# Altium PCB Stepper_Board.PcbDoc (part 2 of 2)
Units mil, origin at the board's own origin, x right, y up, seen from the top; angles counter-clockwise.
Board outline 8267.72 x 4724.41 mil, 2 copper layers (Top Layer, Bottom Layer), stack 62.255 mil thick; 204 components, 138 nets, 645 pads, 842 vias.
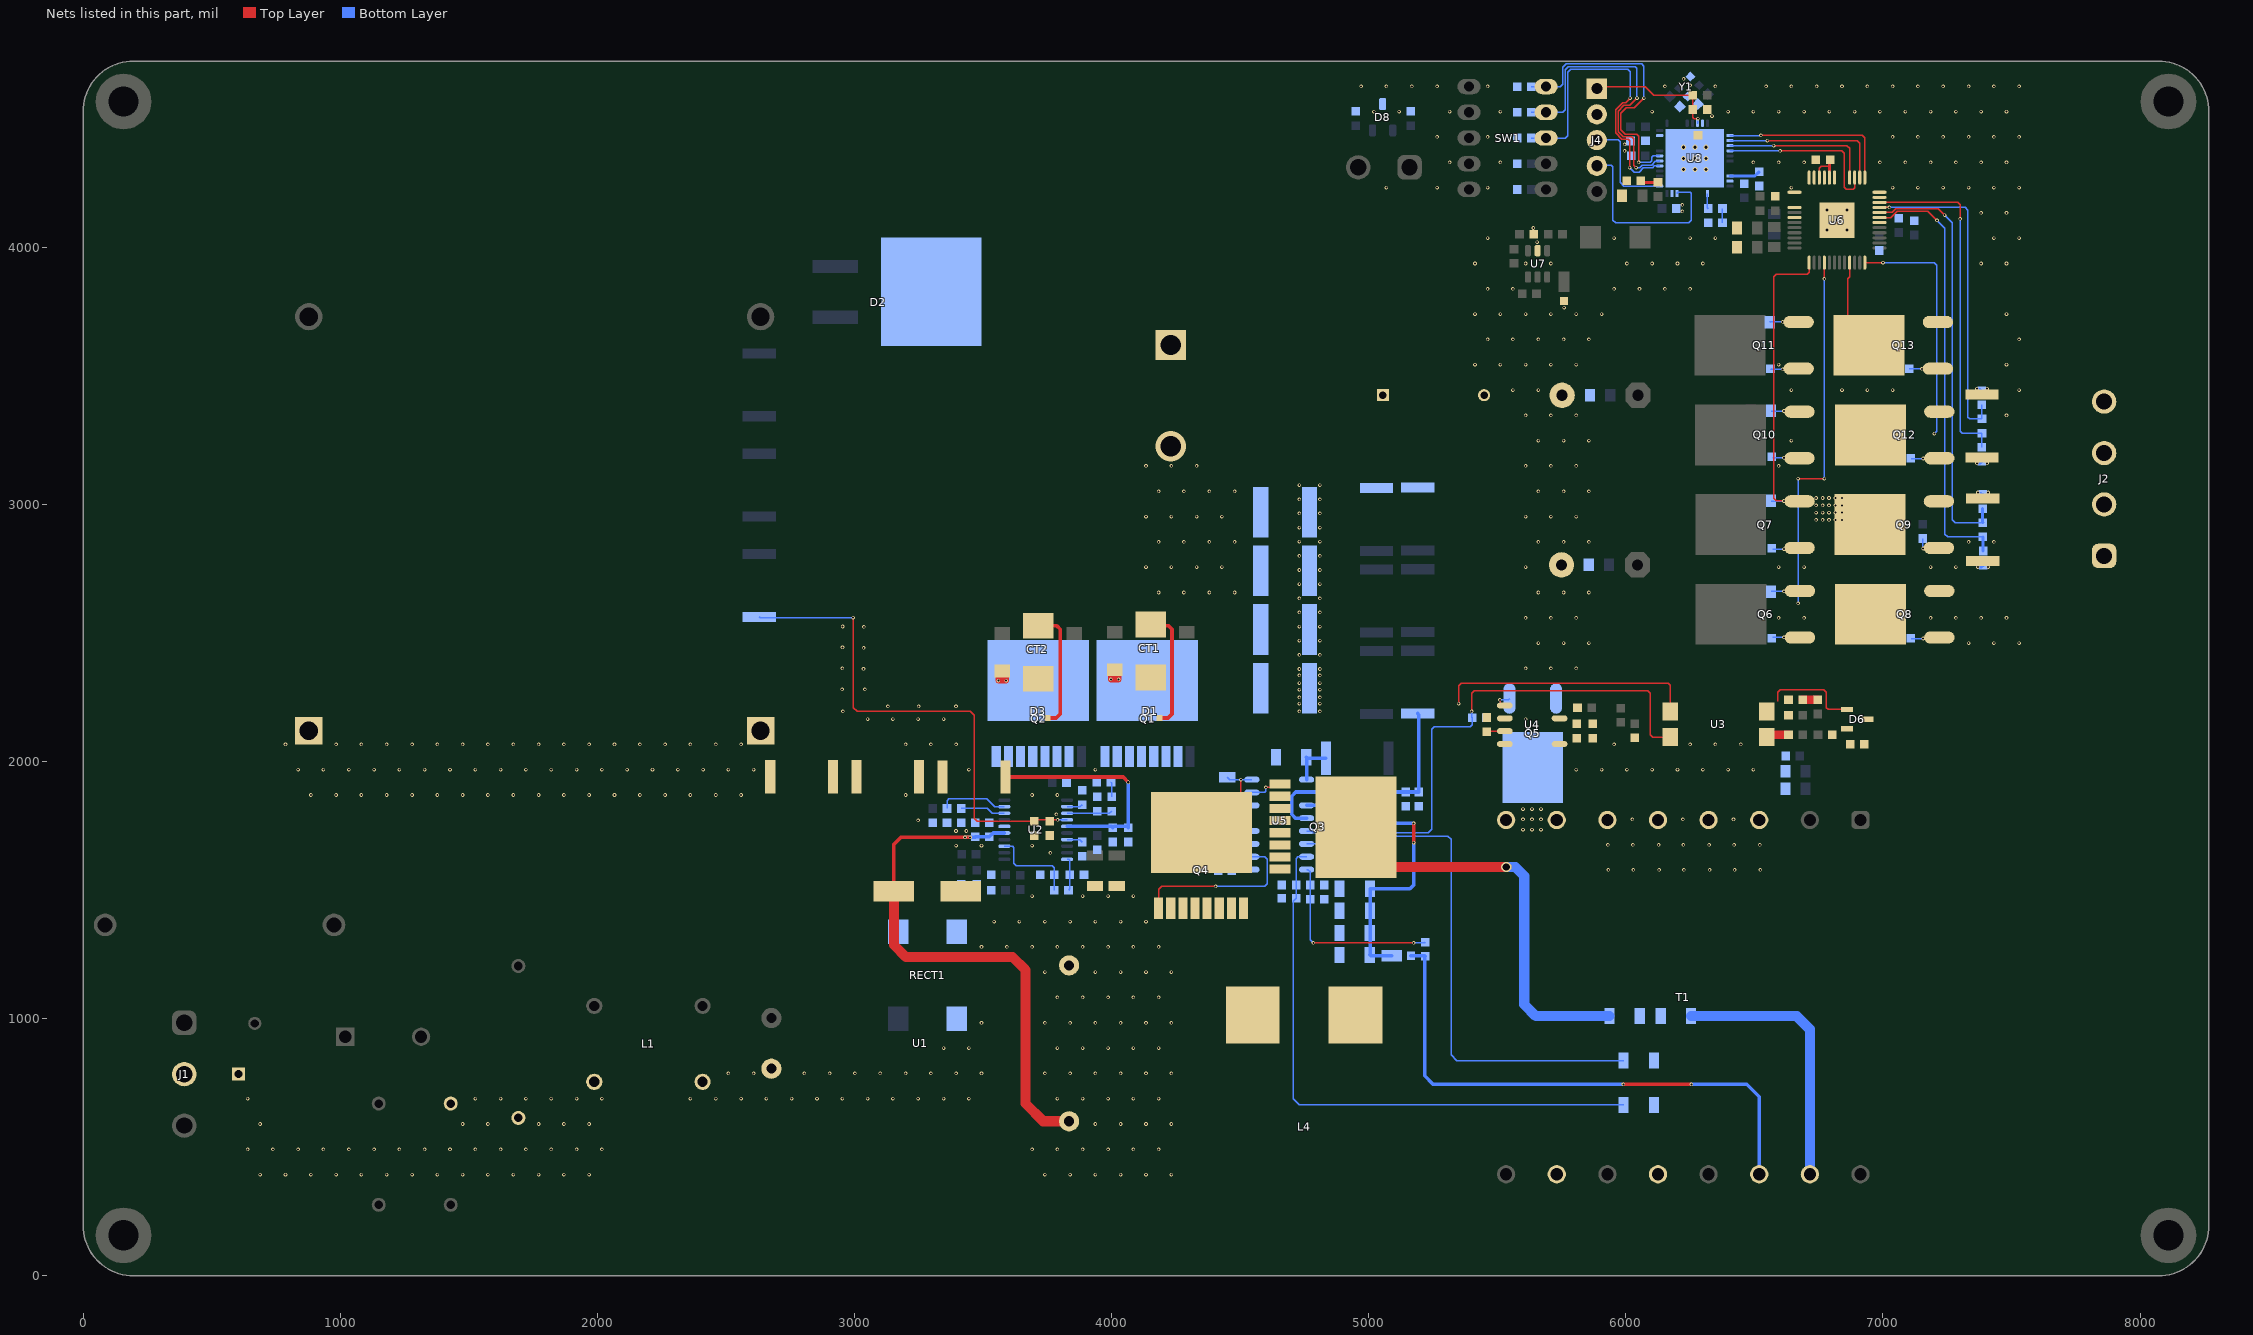
[diagram p2: the nets of this part, all layers, seen from the top]

## Via types
v1: diameter 13.78, hole 7.87, Top Layer to Bottom Layer, tented both sides, 799 vias
v2: diameter 23.62, hole 11.81, Top Layer to Bottom Layer, 32 vias
v3: diameter 19.68, hole 11.81, Top Layer to Bottom Layer, tented both sides, 9 vias
v4: diameter 39.37, hole 28, Top Layer to Bottom Layer, tented both sides, 1 vias
v5: diameter 13.78, hole 10, Top Layer to Bottom Layer, tented both sides, 1 vias

## Nets (pads, with @x,y where several pads share a name; then routed paths per layer and width w, separated by ;. In a path a pad name is that pad's centre, name@x,y a point inside that pad or via, vN(x,y) a via of type N, cw(c..) or ccw(c..) an arc to the next point about the centre after c; other vN are vias at no path point) (continued)
MCUSW3: R67.1 SW1.3 U8.41 | length 1218.2
  Top Layer w5: v1(6015,4310) 6015,4415 6010,4420 5985,4420 5960,4445 5960,4535 5987.74,4562.74 5999.4,4562.74 v1(6016.67,4580)
  Bottom Layer w5: R67.1@5632.56,4425 SW1.3@5690,4425 5765,4425 5774.04,4434.04 5774.04,4681.08 5785.61,4692.65 6007.35,4692.65 6016.67,4683.33 v1(6016.67,4580) ; v1(6015,4310) 6032.26,4292.74 6051.29,4292.74 6068.56,4310 6104.14,4310 6110.44,4316.3 U8.41@6131.65,4316.3
MCUSW4: R68.1 SW1.4 U8.42 | length 1162
  Top Layer w5: v1(6040,4310) 6030,4320 6030,4422.86 6022.86,4430 5989.14,4430 5970,4449.14 5970,4530 5992.74,4552.74 6016.07,4552.74 v1(6043.33,4580) v1@6043.33,4578.33
  Bottom Layer w5: R68.1@5632.56,4525 SW1.4@5690,4525 5755,4525 5764.04,4534.04 5764.04,4690.37 5776.31,4702.65 6037.35,4702.65 6043.33,4696.67 v1(6043.33,4580) ; v1(6040,4310) 6054.41,4310 6064.41,4320 6100,4320 6114.54,4334.54 6130.21,4334.54 U8.42@6131.65,4335.98
MCUSW5: R69.1 SW1.5 U8.43 | length 1103.7
  Top Layer w5: v1(6050,4330) 6050,4432.51 6042.51,4440 5996.77,4440 5980,4456.77 5980,4522.07 6000.67,4542.74 6032.74,4542.74 v1(6070,4580)
  Bottom Layer w5: R69.1@5632.56,4625 SW1.5@5690,4625 5745,4625 5754.04,4634.04 5754.04,4699.28 5768.8,4714.04 6060.96,4714.04 6070,4705 v1(6070,4580) ; v1(6050,4330) 6094.07,4330 6100.06,4335.99 6100.06,4350.06 6105.67,4355.67 U8.43@6131.65,4355.67
MISO: U6.16 U8.16 | length 583.8
  Top Layer w5: v1(6575,4395) 6575.69,4395.69 6859.31,4395.69 6870,4385 6870,4271.51 U6.16@6870.3,4271.21
  Bottom Layer w5: U8.16@6404.88,4395.04 v1(6575,4395) v1(6575,4395)
MOSI: U6.15 U8.17 | length 667.9
  Top Layer w5: v1(6600,4375) 6600.18,4375.18 6839.82,4375.18 6850,4365 6850,4232.58 6857.58,4225 6884.18,4225 6890,4230.82 U6.15@6889.98,4271.21
  Bottom Layer w5: U8.17@6404.88,4375.35 6599.65,4375.35 v1(6600,4375)
N: C3.1 C4.1 J1.2 L1.4 VR1.1
  other v1: 688.98,393.7 787.4,393.7 885.83,393.7 984.25,393.7 1082.68,393.7 1181.1,393.7 1279.53,393.7 1377.95,393.7 1476.38,393.7 1574.8,393.7 1673.23,393.7 1771.65,393.7 1870.08,393.7 1968.5,393.7 639.76,492.13 738.19,492.13 836.61,492.13 935.04,492.13 1033.46,492.13 1131.89,492.13 1230.32,492.13 1328.74,492.13 1427.17,492.13 1525.59,492.13 1624.02,492.13 1722.44,492.13 1820.87,492.13 1919.29,492.13 2017.72,492.13 688.98,590.55 1476.38,590.55 1574.8,590.55 1771.65,590.55 1870.08,590.55 1968.5,590.55 639.76,688.98 1525.59,688.98 1624.02,688.98 1722.44,688.98 1820.87,688.98 1919.29,688.98 2017.72,688.98
N1_1: L4.1 T1.10
N1_2: C29.1 C30.2 C31.2 C32.2 T1.12
N4: D5.2 R30.2 T1.14 | length 2160.5
  Top Layer w13.78: v1(5990,745) v1(6255,745)
  Bottom Layer w13.78: D5.2@5164.21,1245 R30.2@5217.44,1245 ; R30.2@5220,1242.44 R30.2@5217.44,1245 ; v1(5990,745) 5250,745 5217.44,777.56 R30.2@5217.44,1245 ; v1(6255,745) 6470,745 6518.7,696.3 T1.14@6518.7,395
N_R: L1.3 RECT1.3 U1.2
  other v1: 2362.2,688.98 2460.63,688.98 2559.06,688.98 2657.48,688.98 2755.91,688.98 2854.33,688.98 2952.76,688.98 3051.18,688.98 3149.61,688.98 3248.03,688.98 3346.46,688.98 3444.88,688.98 2509.84,787.4 2608.27,787.4 2805.12,787.4 2903.54,787.4 3001.97,787.4 3100.39,787.4 3198.82,787.4 3297.24,787.4 3395.67,787.4 3494.09,787.4 3346.46,885.83 3444.88,885.83 3494.09,984.25
NN: T1.3 T1.4 T1.5 T1.6
  other v1: 5932.24,1579.25 6029.09,1579.25 6129.09,1579.25 6225.94,1579.25 6325.94,1579.25 6422.8,1579.25 6522.8,1579.25 5930.2,1676.1 6027.05,1676.1 6127.05,1676.1 6223.9,1676.1 6323.9,1676.1 6420.75,1676.1 6520.75,1676.1 6025,1775 6221.85,1775 6418.7,1775
OPT_C: R23.2 U3.1 | length 90.7
  Top Layer w5: U3.1@6547.4,2095 cw(c6557.4,2095) U3.1@6557.4,2105
  Top Layer w33.47: U3.1@6557.4,2105 R23.2@6632.44,2105
OPT_E: C36.2 C37.2 D6.1 U3.2 | length 376.3
  Top Layer w5: 6590,2235 6590,2270 6600,2280 6770,2280 6780,2270 6780,2210 6787.4,2202.6 D6.1@6860,2202.6
PGND: C1.1 C5.2 C6.2 C7.1 C8.1 C9.1 C10.1 C11.1 C12.1 C13.1 C16.1 C17.1 C18.1 C19.1 C20.2 C21.1 C22.1 C23.1 C30.1 C33.1 C34.1 C35.1 C38.1 C39.1 C40.1 C41.1 C42.1 C43.1 C44.1 C45.1 C48.1 C51.1 C52.1 C53.1 CT1.7 CT2.7 Q1.3 Q2.3 Q4.3 R1.1 R5.1 R6.1 R7.1 R9.1 R13.1 R14.1 R15.1 R16.1 R18.1 R19.1 R20.1 R25.1 R26.1 R32.1 R33.1 R40.1 RECT1.4 T1.15 U1.3 U2.16 U3.3 U5.11 | length 2049.2
  Top Layer w5: v1(5350,2225) 5350,2295 5360,2305 6165,2305 6172.6,2297.4 U3.3@6172.6,2195
  Bottom Layer w39.37: C30.1@6254.06,1010 6665,1010 6715.55,959.45 T1.15@6715.55,395
  other v1: 3740.16,393.7 3838.58,393.7 3937.01,393.7 4035.43,393.7 4133.86,393.7 4232.28,393.7 3690.95,492.13 3789.37,492.13 3887.8,492.13 3986.22,492.13 4084.65,492.13 4183.07,492.13 3937.01,590.55 4035.43,590.55 4133.86,590.55 4232.28,590.55 3789.37,688.98 3887.8,688.98 3986.22,688.98 4084.65,688.98 4183.07,688.98 3740.16,787.4 3838.58,787.4 3937.01,787.4 4035.43,787.4 4133.86,787.4 4232.28,787.4 3789.37,885.83 3887.8,885.83 3986.22,885.83 4084.65,885.83 4183.07,885.83 3740.16,984.25 3838.58,984.25 3937.01,984.25 4035.43,984.25 4133.86,984.25 4232.28,984.25 3789.37,1082.68 3887.8,1082.68 3986.22,1082.68 4084.65,1082.68 4183.07,1082.68 3740.16,1181.1 3937.01,1181.1 4035.43,1181.1 4133.86,1181.1 4232.28,1181.1 3494.09,1279.53 3592.52,1279.53 3690.95,1279.53 3789.37,1279.53 3887.8,1279.53 3986.22,1279.53 4084.65,1279.53 4183.07,1279.53 3543.31,1377.95 3641.73,1377.95 3740.16,1377.95 3838.58,1377.95 3937.01,1377.95 4035.43,1377.95 4133.86,1377.95 3690.95,1476.38 3887.8,1476.38 3986.22,1476.38 4084.65,1476.38 3761.72,1645 3395.67,1673.23 3494.09,1673.23 3690.95,1673.23 3395,1730 3435,1730 3248.03,1771.65 3785,1795 3198.82,1870.08 3690.95,1870.08 3789.37,1870.08 3444.88,1968.5 3937.01,1968.5 3198.82,2066.93 3297.24,2066.93 3395.67,2066.93 3051.18,2165.35 3149.61,2165.35 3248.03,2165.35 3346.46,2165.35 2955.16,2195.59 3130,2215 3250,2215 3395,2215 2952.01,2280.67 3040.16,2280.59 3035.16,2360.59 2952.76,2362.2 3035.9,2442.12 2953.5,2443.73 3036.65,2523.65 2954.25,2525.26 4183.07,2657.48 4281.5,2657.48 4379.92,2657.48 4478.35,2657.48 4133.86,2755.91 4232.28,2755.91 4330.71,2755.91 4429.13,2755.91 4183.07,2854.33 4281.5,2854.33 4379.92,2854.33 4478.35,2854.33 4133.86,2952.76 4232.28,2952.76 4330.71,2952.76 4429.13,2952.76 4183.07,3051.18 4281.5,3051.18 4379.92,3051.18 4478.35,3051.18 4133.86,3149.61 4232.28,3149.61 4330.71,3149.61
PIN_SENS: R64.2 U8.28 | length 59.7
  Bottom Layer w5: U8.28@6317.48,4209.21 6317.48,4154.06 R64.2@6320.71,4150.83
PKLMT: R17.1 R18.2 U2.10 | length 129.9
  Bottom Layer w5: U2.10@3827.05,1619.84 3833.39,1619.84 3837.44,1615.79 R18.2@3837.44,1560 3837.44,1504.88 R17.1@3832.56,1500
PWR_LED: D11.2 R64.1 | length 55
  Bottom Layer w5: D11.2@6375.83,4095.83 R64.1@6375.83,4150.83
PWR_SENS: D10.2 R61.2 | length 69.9
  Top Layer w11.81: D10.2@6057.91,4259.34 6064.69,4252.56 R61.2@6125,4252.56
R_REG: C49.2 U4.3 | length 70.8
  Top Layer w5: C49.2@5459.54,2116.37 5461.35,2118.19 U4.3@5529.54,2118.19
R_VD1: Q5.4 T1.7 T1.8 U4.4
  other v1: 5600,1735 5635,1735 5670,1735 5600,1775 5635,1775 5670,1775 5600,1815 5635,1815 5670,1815
R_VDD: C46.2 C47.2 R34.1 U4.7
R_VG1: Q5.1 U4.1 | length 60.2
  Top Layer w5: v1(5510,2240) 5510.78,2239.22 5510.78,2220.71 U4.1@5510.07,2220.01
  Bottom Layer w5: v1(5510,2240) 5542.68,2240 Q5.1@5547.6,2244.92
RDM: R6.2 U2.2 | length 61.8
  Bottom Layer w5: U2.2@3827.05,1824.57 3877.1,1824.57 R6.2@3885.4,1832.87
REST: C77.1 J4.1 R62.2 U8.7 | length 513.9
  Top Layer w5: J4.1@5887.14,4624.12 6075.88,4624.12 6109.17,4590.83 R62.2@6260.71,4590.83 C77.1@6260.71,4535.83 6260,4535.12 6260,4505 6265,4500 v1(6280,4500)
  Bottom Layer w5: U8.7@6278.11,4482.44 6279.06,4483.39 6279.06,4499.06 v1(6280,4500)
RSYNTH: R14.2 U2.7 | length 62.3
  Bottom Layer w5: U2.7@3827.05,1696.61 3875.85,1696.61 R14.2@3885.4,1687.06
RT_PFC: R7.2 U2.19 | length 268.8
  Bottom Layer w5: R7.2@3360,1817.56 3360,1847.85 3367.15,1855 3514.86,1855 3545.3,1824.57 U2.19@3582.95,1824.57
SA_1: Q6.1 R50.1 | length 106.5
  Top Layer w5: v1(6615,2483.37) 6615.42,2482.95 6676.66,2482.95 Q6.1@6677.08,2482.53
  Bottom Layer w5: R50.1@6570.93,2483.37 v1(6615,2483.37)
SA_2: Q7.1 R49.1 | length 106.6
  Top Layer w5: v1(6615,2826.63) 6616.68,2828.31 6672.95,2828.31 Q7.1@6675.7,2831.06
  Bottom Layer w5: R49.1@6570.93,2826.63 v1(6615,2826.63)
SA_3: Q8.1 R51.1 | length 111.6
  Top Layer w5: v1(7156.07,2478.59) 7157.75,2480.27 7216.63,2480.27 Q8.1@7218.89,2482.53
  Bottom Layer w5: R51.1@7108.97,2478.59 v1(7156.07,2478.59)
SA_4: Q9.1 R52.1 | length 101.9
  Top Layer w5: v1(7156.07,2828.59) 7157.31,2829.83 7216.27,2829.83 Q9.1@7217.5,2831.06
  Bottom Layer w5: R52.1@7155,2867.44 7155,2829.66 ccw(c7156.07,2829.66) v1(7156.07,2828.59)
SA_A: C68.2 J2.1 Q6.3 Q8.4 U6.40 | length 1539.1
  Top Layer w5: v1(6615,2661.63) 6616,2662.63 6676.08,2662.63 Q6.3@6677.08,2663.63 ; v1(6670,3100) v1(6771.87,3100) ; v1(6771.87,3876.87) U6.40@6771.87,3940.5
  Bottom Layer w5: C68.2@6566.23,2661.63 v1(6615,2661.63) ; v1(6670,2615) v1(6670,3100) ; v1(6771.87,3100) v1(6771.87,3876.87)
SA_B: C67.2 J2.2 Q7.3 Q9.4 U6.37 | length 1197.7
  Top Layer w5: Q7.3@6675.7,3012.16 6672.86,3015 6585,3015 6575,3025 6575,3885 6585,3895 6705,3895 6712.81,3902.81 U6.37@6712.81,3940.5
  Bottom Layer w5: C67.2@6566,3013.37 v1(6614.76,3013.37)
  other v1: 6740,2940 6765,2940 6790,2940 6815,2940 6840,2940 6740,2968.33 6765,2968.33 6790,2968.33 6815,2968.33 6840,2968.33 6740,2996.67 6765,2996.67 6790,2996.67 6815,2996.67 6840,2996.67 6740,3025 6765,3025 6790,3025 6815,3025 6840,3025
SA_LOW: Q8.3 Q9.3 R42.2 R47.1 | length 22.1
  Bottom Layer w5: v1(7368.62,3046.38) 7380.19,3046.38 R47.1@7387.63,3038.94
  other v1: 7408.62,3046.38
SB_1: Q10.1 R43.1 | length 104.8
  Top Layer w5: v1(6615,3181.63) 6616.02,3180.61 6673.87,3180.61 Q10.1@6674.89,3179.59
  Bottom Layer w5: R43.1@6570.93,3181.63 v1(6615,3181.63)
SB_2: Q11.1 R41.1 | length 112.2
  Top Layer w5: v1(6610,3525) 6611.56,3526.56 6670.52,3526.56 Q11.1@6672.08,3528.12
  Bottom Layer w5: R41.1@6562.56,3528.37 6565.93,3525 v1(6610,3525)
SB_3: Q12.1 R44.1 | length 110.3
  Top Layer w5: v1(7156.07,3178.59) 7156.57,3179.09 7218.39,3179.09 Q12.1@7218.89,3179.59
  Bottom Layer w5: R44.1@7108.97,3178.59 v1(7156.07,3178.59)
SB_4: Q13.1 R46.1 | length 112.6
  Top Layer w5: v1(7151.07,3526.96) 7151.65,3527.54 7213.31,3527.54 Q13.1@7213.89,3528.12
  Bottom Layer w5: R46.1@7102.56,3528.37 ccw(c7103.97,3528.37) 7103.97,3526.96 v1(7151.07,3526.96)
SB_A: C61.2 J2.3 Q10.3 Q12.4 U6.48 | length 1053.9
  Top Layer w5: v1(6615,3363.37) 6616.34,3362.03 6673.55,3362.03 Q10.3@6674.89,3360.69 ; U6.48@6929.35,3940.5 6929.85,3940 v1(7000,3940)
  Bottom Layer w5: C61.2@6566.23,3363.37 v1(6615,3363.37) ; v1(7000,3940) 7200,3940 7210,3930 7210,3285 v1(7200,3275)
SB_B: C59.2 J2.4 Q11.3 Q13.4 U6.45 | length 473.3
  Top Layer w5: v1(6610,3710) 6610.39,3709.61 6671.69,3709.61 Q11.3@6672.08,3709.22 ; U6.45@6870.3,3940.5 6870.3,3885.3 6862.35,3877.35 6862.35,3702.49 Q13.4@6946.17,3618.67
  Bottom Layer w5: C59.2@6559.61,3708.37 6561.23,3710 v1(6610,3710)
SB_LOW: Q12.3 Q13.3 R53.1 R54.2 | length 55
  Top Layer w5: v1(7365,3450) 7365,3444.23 7382.19,3427.05 R54.2@7385,3427.05
  Bottom Layer w5: v1(7365,3450) 7376.57,3450 R53.1@7384.02,3442.56
  other v1: 7405,3450
SCK: U6.14 U8.15 | length 643
  Top Layer w5: v1(6550,4415) 6900,4415 6909.66,4405.34 U6.14@6909.66,4271.21
  Bottom Layer w5: U8.15@6404.88,4414.72 6405.16,4415 v1(6550,4415)
SCSN: U6.13 U8.14 | length 683
  Top Layer w5: v1(6525,4435) 6920,4435 6929.35,4425.65 U6.13@6929.35,4271.21
  Bottom Layer w5: U8.14@6404.88,4434.41 6524.41,4434.41 v1(6525,4435)
SGND: C1.2 C24.2 C25.2 C26.1 C27.1 C28.1 C46.1 C47.1 C49.1 C54.1 C55.1 C56.2 C60.1 C62.1 C63.1 C65.1 C66.1 C70.1 C72.1 C73.1 C74.1 C75.1 C76.1 C77.2 C78.2 C79.2 C80.2 C81.2 D4.1 D6.3 D8.3 D9.2 D10.1 D11.1 J4.2 Q5.3 R31.2 R42.1 R48.1 R54.1 R55.1 R56.2 R57.2 R60.1 R63.1 R65.2 R66.2 R67.2 R68.2 R69.2 U4.2 U4.5 U6.0 U6.6 U6.11 U6.12 U6.19 U6.21 U6.23 U6.24 U6.25 U6.28 U6.30 U7.2 U8.8 U8.23 U8.35 U8.47 U8.49 Y1.2 Y1.4 | length 81
  Top Layer w11.81: v1(7365,3160) 7365,3169.17 7378.78,3182.95 R54.1@7385,3182.95
  Bottom Layer w11.81: v1(7365,3160) 7365.38,3160.38 7376.95,3160.38 R55.1@7384.02,3167.44 ; v1(7368.62,2756.38) 7368.99,2756.76 7382.54,2756.76 R48.1@7389.6,2763.82
  other v1: 5807.09,1968.5 5905.51,1968.5 6003.94,1968.5 6102.36,1968.5 6200.79,1968.5 6299.21,1968.5 6397.64,1968.5 6496.06,1968.5 5954.72,2066.93 6250,2066.93 6348.43,2066.93 6446.85,2066.93 5610.24,2165.35 5610.24,2362.2 5708.66,2362.2 5807.09,2362.2 5659.45,2460.63 5757.87,2460.63 5856.3,2460.63 7332.68,2460.63 7431.1,2460.63 7529.53,2460.63 5610.24,2559.06 5708.66,2559.06 5807.09,2559.06 6594.49,2559.06 6692.91,2559.06 7185.04,2559.06 7283.46,2559.06 7381.89,2559.06 7480.32,2559.06 5659.45,2657.48 5757.87,2657.48 5856.3,2657.48 5610.24,2755.91 6594.49,2755.91 6692.91,2755.91 7185.04,2755.91 7283.46,2755.91 7408.62,2756.38 5659.45,2854.33 5757.87,2854.33 5856.3,2854.33 7332.68,2854.33 7431.1,2854.33 5610.24,2952.76 5708.66,2952.76 5807.09,2952.76 5659.45,3051.18 5757.87,3051.18 5856.3,3051.18 5610.24,3149.61 5708.66,3149.61 5807.09,3149.61 6594.49,3149.61 7405,3160 5659.45,3248.03 5757.87,3248.03 5856.3,3248.03 6643.7,3248.03 5610.24,3346.46 5708.66,3346.46 5807.09,3346.46 7480.32,3346.46 5561.02,3444.88 5659.45,3444.88 6643.7,3444.88 6840.55,3444.88 6938.98,3444.88 7037.4,3444.88 7529.53,3444.88 5413.39,3543.31 5511.81,3543.31 5610.24,3543.31 5708.66,3543.31 5807.09,3543.31 6594.49,3543.31 7480.32,3543.31 5462.6,3641.73 5561.02,3641.73 5659.45,3641.73 5757.87,3641.73 5856.3,3641.73 7529.53,3641.73 5413.39,3740.16 5511.81,3740.16 5610.24,3740.16 5708.66,3740.16 5807.09,3740.16 5905.51,3740.16 7480.32,3740.16 5760,3765 5462.6,3838.58 5561.02,3838.58 5954.72,3838.58 6053.15,3838.58 6151.57,3838.58 6250,3838.58 5413.39,3937.01 5610.24,3937.01 5708.66,3937.01 6003.94,3937.01 6102.36,3937.01 6200.79,3937.01 6299.21,3937.01 7381.89,3937.01 7480.32,3937.01 5655,4020 5462.6,4035.43 5954.72,4035.43 6250,4035.43 6348.43,4035.43 7431.1,4035.43 7529.53,4035.43 5640,4075 7381.89,4133.86 7480.32,4133.86 6220,4140 6220,4165 5068.9,4232.28 5265.75,4232.28 5462.6,4232.28 6643.7,4232.28 7037.4,4232.28 7135.83,4232.28 7234.25,4232.28 7332.68,4232.28 7431.1,4232.28 7529.53,4232.28 5314.96,4330.71 5511.81,4330.71 6496.06,4330.71 6594.49,4330.71 6692.91,4330.71 6988.19,4330.71 7086.61,4330.71 7185.04,4330.71 7283.46,4330.71 7381.89,4330.71 7480.32,4330.71 5995,4375 5995,4400 5265.75,4429.13 5462.6,4429.13 7037.4,4429.13 7135.83,4429.13 7234.25,4429.13 7332.68,4429.13 7431.1,4429.13 7529.53,4429.13 6335,4510 5019.69,4527.56 5118.11,4527.56 5314.96,4527.56 5511.81,4527.56 6102.36,4527.56 6397.64,4527.56 6496.06,4527.56 6594.49,4527.56 6692.91,4527.56 6791.34,4527.56 6889.76,4527.56 6988.19,4527.56 7086.61,4527.56 7185.04,4527.56 7283.46,4527.56 7381.89,4527.56 7480.32,4527.56 4970.47,4625.98 5068.9,4625.98 5167.32,4625.98 5265.75,4625.98 5462.6,4625.98 6151.57,4625.98 6348.43,4625.98 6545.28,4625.98 6643.7,4625.98 6742.13,4625.98 6840.55,4625.98 6938.98,4625.98 7037.4,4625.98 7135.83,4625.98 7234.25,4625.98 7332.68,4625.98 7431.1,4625.98 7529.53,4625.98 6250,4630 6225,4655
  other v3: 6224.96,4302.52 6268.27,4302.52 6311.57,4302.52 6224.96,4345.83 6268.27,4345.83 6311.57,4345.83 6224.96,4389.13 6268.27,4389.13 6311.57,4389.13
SNUB: C36.1 R27.2 | length 58.5
  Top Layer w33.47: C36.1@6687.56,2240 R27.2@6746.03,2240
SRAH: C64.2 R47.2 U6.8 | length 1645.9
  Top Layer w5: U6.8@6986.44,4135.38 7035.38,4135.38 7050,4150 7215,4150 v1(7240,4125)
  Bottom Layer w5: v1(7240,4125) 7270,4095 7270,2940 7281.06,2928.94 C64.2@7388.62,2928.94
  Bottom Layer w11.81: R47.2@7387.63,2983.82 7387.63,2929.93 C64.2@7388.62,2928.94
SRAL: C64.1 R48.2 U6.7 | length 1689.1
  Top Layer w5: U6.7@6986.44,4115.7 7030.7,4115.7 7055,4140 7175,4140 v1(7210,4105)
  Bottom Layer w5: v1(7210,4105) 7240,4075 7240,2885 7251.18,2873.82 C64.1@7388.62,2873.82
  Bottom Layer w11.81: C64.1@7388.62,2873.82 7388.62,2819.93 R48.2@7389.6,2818.94
SRBH: C69.2 R53.2 U6.9 | length 1266.1
  Top Layer w5: U6.9@6986.44,4155.07 6986.51,4155 v1(7025,4155)
  Bottom Layer w5: v1(7025,4155) 7320,4155 7330,4145 7330,3340 7337.44,3332.56 C69.2@7385,3332.56 7384.02,3333.54 R53.2@7384.02,3387.44
SRBL: C69.1 R55.2 U6.10 | length 1340.9
  Top Layer w5: U6.10@6986.44,4174.75 7290.25,4174.75 7300,4165 7300,4110.38 v1(7299.81,4110.19)
  Bottom Layer w5: v1@7300,4110 7300,3285 7307.56,3277.44 C69.1@7385,3277.44 7385,3223.54 R55.2@7384.02,3222.56
SS_PFC: C9.2 U2.18 | length 175.7
  Bottom Layer w5: C9.2@3415,1817.56 3517.44,1817.56 3536.02,1798.98 U2.18@3582.95,1798.98
SWCLK: J4.3 U8.37 | length 412.9
  Bottom Layer w5: J4.3@5887.14,4420 5888.57,4418.57 5970.03,4418.57 5977.74,4410.86 5977.74,4252.45 5992.63,4237.56 U8.37@6131.65,4237.56
SWDIO: J4.4 U8.34 | length 753.2
  Bottom Layer w5: J4.4@5887.14,4320 5942.38,4320 5950,4312.38 5950,4105 5960,4095 6245,4095 6255,4105 6255,4210 6250,4215 6202.74,4215 6199.37,4211.63 U8.34@6199.37,4209.21
T1_D1: CT1.8 D1.1 | length 523.9
  Top Layer w13.78: CT1.8@4149.99,2527.95 4150.58,2527.36 4222.63,2527.36 4234.99,2515 4234.99,2185 4219.4,2169.41 D1.1@4186.41,2169.41
  Top Layer w23.62: CT1.8@4152.13,2532.95 CT1.8@4186.41,2567.23
T1_OUT: CT1.3 Q1.2 | length 148.9
  Top Layer w23.62: 3997.13,2331.99 4027.13,2331.99 ; 3997.13,2331.99 v1(3997.13,2320) v1(4027.13,2320) 4027.13,2331.99 ; 3997.13,2331.99 3997.13,2343.98 4010.32,2357.17 CT1.3@4012.17,2357.17 4013.94,2357.17 4027.13,2343.98 4027.13,2331.99
T2_D2: CT2.8 D3.1 | length 475.4
  Top Layer w13.78: CT2.8@3715,2527.95 3715.59,2527.36 3787.64,2527.36 3800,2515 3800,2185 3784.41,2169.41 D3.1@3751.42,2169.41
T2_OUT: CT2.3 Q2.2 | length 148.9
  Top Layer w23.62: 3560,2326.99 3560,2338.98 3573.19,2352.17 CT2.3@3575.04,2352.17 3576.81,2352.17 3590,2338.98 3590,2326.99 ; 3560,2326.99 v1(3560,2315) v1(3590,2315) 3590,2326.99 ; 3560,2326.99 3590,2326.99
TLV: D6.2 R29.2 R31.1
UCC_BLK: C38.2 R28.1 R32.2 U5.4 | length 943.6
  Bottom Layer w13.78: U5.4@4758.19,1779.8 4715.2,1779.8 4700,1795 4700,1865 4716.73,1881.73 C38.2@5143.54,1881.73 R32.2@5195,1881.73 5195,2182.24 R28.1@5190.26,2186.98
UCC_BW: C45.2 R30.1 R33.2 U5.8 | length 735.3
  Top Layer w5: v1(4785,1295) v1(5175,1295)
  Bottom Layer w5: U5.8@4758.19,1579.8 4763.84,1579.8 4772.44,1571.19 C45.2@4772.44,1520 R33.2@4772.44,1465 4772.44,1307.56 v1(4785,1295) ; v1(5175,1295) 5217.44,1295 R30.1@5220,1297.56
UCC_FB: C33.2 U3.4 U5.5 | length 2115.9
  Top Layer w5: v1(5400,2195) 5400,2265 5410,2275 6085,2275 6095,2265 6095,2105 6105,2095 U3.4@6172.6,2095
  Bottom Layer w5: U5.5@4758.19,1729.8 4780.94,1729.8 4786.57,1724.17 5232.39,1724.17 5245,1736.77 5245,2125 5255,2135 5395,2135 5402.44,2142.44 C33.2@5402.44,2170 5400,2172.44 v1(5400,2195)
UCC_HB: C50.2 D7.1 U5.14 | length 210.3
  Bottom Layer w5: D7.1@4339.99,1841.05 4351.24,1829.8 U5.14@4545.59,1829.8
UCC_HO: Q3.1 U5.15 | length 131.4
  Top Layer w5: v1(4600,1900) 4642.4,1900 Q3.1@4654.72,1912.32
  Bottom Layer w5: U5.15@4545.59,1879.8 4594.8,1879.8 4600,1885 v1(4600,1900)
UCC_HS: C50.1 L4.2 Q3.3 Q4.2 U5.16 | length 367.4
  Top Layer w5: Q4.2@4350,1725 4502.42,1877.42 v1(4502.42,1929.8)
  Bottom Layer w5: C50.1@4450,1939.06 4459.26,1929.8 v1(4502.42,1929.8) U5.16@4545.59,1929.8
UCC_HV: C48.2 R38.2 U5.1 | length 163.2
  Bottom Layer w13.78: C48.2@4757.14,2016.63 C48.2@4758.19,2015.58 ; U5.1@4758.19,1929.8 C48.2@4758.19,2015.58 ; R38.2@4833.21,2013.48 4760.29,2013.48 C48.2@4758.19,2015.58
UCC_ISNS: C32.1 C35.2 R26.2 U5.6 | length 2119.9
  Bottom Layer w5: U5.6@4758.19,1679.8 4988.95,1679.8 R26.2@4997.52,1671.22 ; R26.2@4997.52,1671.22 4997.53,1697.53 5010,1710 5307.64,1710 5320,1697.63 5320,860 5342.5,837.5 C32.1@5990.94,837.5
UCC_LL/SS: C53.2 R39.1 R40.2 U5.9 | length 202.8
  Bottom Layer w5: R39.1@4347.61,1583.55 4407.3,1583.55 R40.2@4415,1575.86 4418.94,1579.8 U5.9@4545.59,1579.8
UCC_LO: Q4.1 U5.10 | length 663
  Top Layer w5: Q4.1@4182.68,1429.72 4182.68,1502.68 4195,1515 v1(4405,1515)
  Bottom Layer w5: v1(4405,1515) 4595,1515 4605,1525 4605,1620 4595.2,1629.8 U5.10@4545.59,1629.8
UCC_RVCC: C51.2 C52.2 D7.2 R39.2 U5.12 | length 263
  Bottom Layer w5: D7.2@4339.99,1766.24 R39.2@4340,1714.06 4354.25,1728.3 C52.2@4411.1,1728.3 ; C52.2@4415,1737.56 4422.76,1729.8 U5.12@4545.59,1729.8